# Allegro board MCU075A_LP-CC2652R7.brd
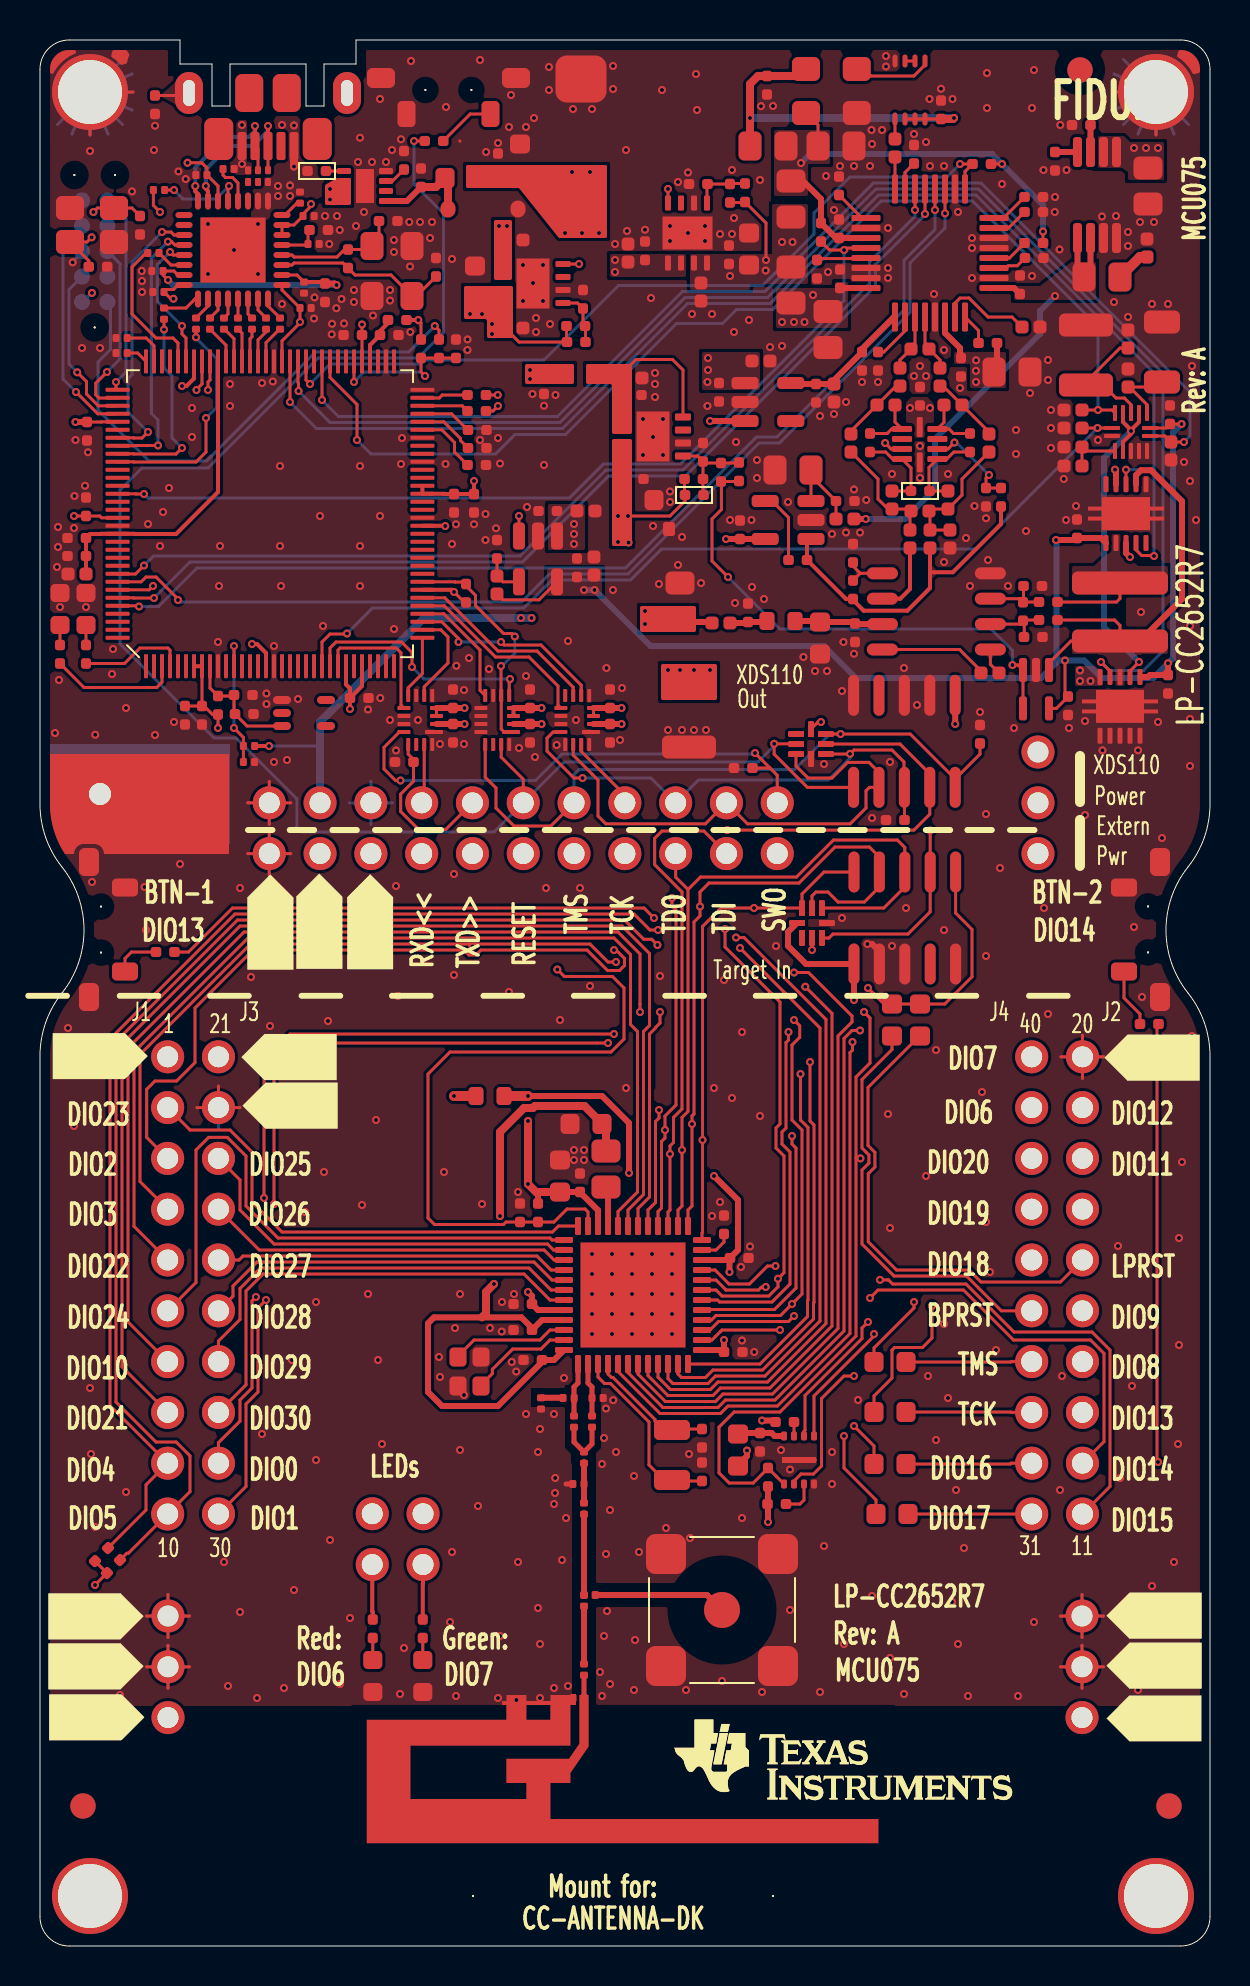
[diagram p0: board, top side]
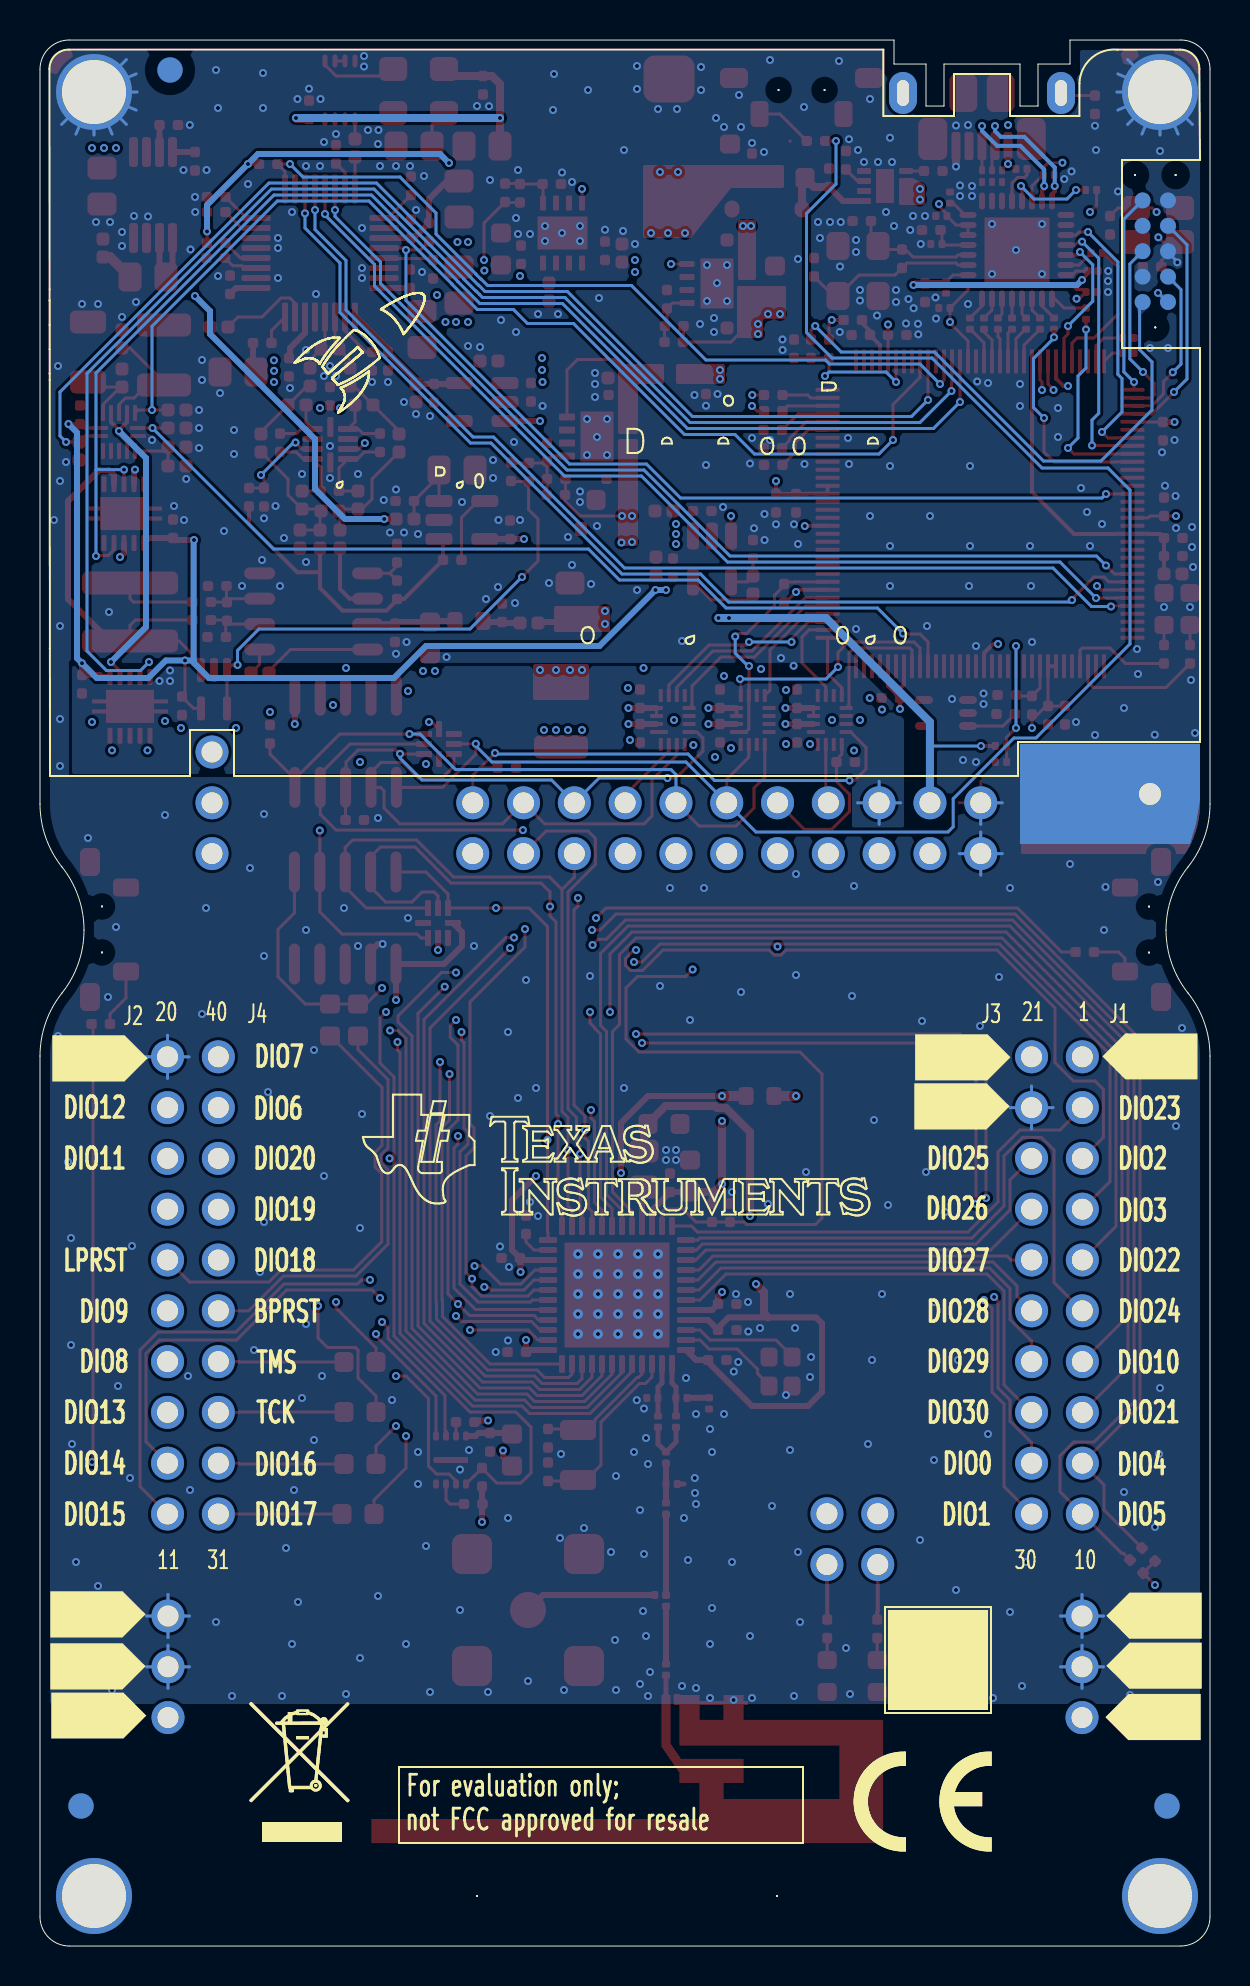
[diagram p1: board, bottom side, seen from below]

Outline 58.5 x 95.3 mm; copper layers: TOP, L2, L3, BOTTOM. Coordinates in mm from the lower left corner of the outline.
Outline path: 0,93.84 0,57.1 arc(0.28,55.43) 1.1,53.95 arc(1.92,52.47) 2.2,50.8 arc(1.92,49.13) 1.1,47.65 arc(0.28,46.17) 0,44.5 0,1.46 arc(0.43,0.43) 1.46,0 57.04,0 arc(58.07,0.43) 58.5,1.46 58.5,44.5 arc(58.22,46.17) 57.4,47.65 arc(56.58,49.13) 56.3,50.8 arc(56.58,52.47) 57.4,53.95 arc(58.22,55.43) 58.5,57.1 58.5,93.84 arc(58.07,94.87) 57.04,95.3 15.8,95.3 15.8,94.1 14.2,94.1 14.2,92 13.3,92 13.3,94.1 9.5,94.1 9.5,92 8.6,92 8.6,94.1 7,94.1 7,95.3 1.46,95.3 arc(0.43,94.87) 0,93.84

## Design rules (mm)
constraint set DEFAULT: min track width 0.15
nets with their own width: min track width 0.15; nets GND VDDR VDDS WMCU_VDD

## Placement (name value [footprint] x y rotation side)
A1  2.4GHz  [ANTENNA_DN007AN]  27.2 12.3 180 top
C1  12pF  [CAPC1005X60B2N]  2.44 83.96 0 top
C2  10nF  [CAPC1005X60B2N]  7.25 62 270 top
C3  10nF  [CAPC1005X60B2N]  2.3 71.5 90 top
C4  10nF  [CAPC1005X60B2N]  2.35 76.2 270 top
C6  100nF  [CAPC0603X35B2N]  13 81.9 0 top
C7  10nF  [CAPC1005X60B2N]  15.5 62.4 0 top
C8  0.1uF  [CAPC1005X60B2N]  9.7 62.55 0 top
C9  12pF  [CAPC1005X60B2N]  5 86.5 270 top
C11  12pF  [CAPC0603X35B2N]  25.05 26.85 90 top
C12  1pF  [CAPC0603X35B2N]  26.7 26.5 270 top
C14  12pF  [CAPC0603X35B2N]  27.2 17.55 270 top
C15  0  [CAPC0603X35B2N]  26.65 12.4 0 top
C17  12pF  [CAPC1005X60B2N]  33.1 23.25 90 top
C18  12pF  [CAPC1005X60B2N]  33.1 25.85 270 top
C19  1uF  [CAPC1005X60B2N]  34.2 35.6 90 top
C20  0.1uF  [CAPC1005X60B2N]  24 36.2 90 top
C21  1pF  [CAPC0603X35B2N]  27.6 27.4 0 top
C22  1pF  [CAPC0603X35B2N]  26.64 23.1 0 top
C24  12pF  [CAPC0603X35B2N]  27.2 17.55 0 top
C30  0.1uF  [CAPC1005X60B2N]  36 25.65 270 top
C31  1.2pF  [CAPC0603X35B2N]  27.2 14.1 270 top
C38  0.1uF  [CAPC1005X60B2N]  16.1 80.55 180 top
C39  0.1uF  [CAPC1005X60B2N]  24.5 61.9 90 top
C40  1uF  [CAPC1005X60B2N]  21.7 72.6 270 top
C42  1uF  [CAPC1005X60B2N]  8.1 62 270 top
C43  0.1uF  [CAPC1005X60B2N]  2.3 70.4 180 top
C44  1uF  [CAPC1005X60B2N]  2.3 69.5 180 top
C45  2.2uF  [CAPC1005X60A2N]  2.3 68.6 180 top
C46  0.1uF  [CAPC1005X60B2N]  17 80.55 0 top
C47  15pF  [CAPC1005X60B2N]  26.35 80.2 0 top
C48  2.2uF  [CAPC1005X60A2N]  23.25 85.3 0 top
C49  2.2uF  [CAPC1005X60A2N]  23.25 80.9 0 top
C50  10nF  [CAPC1005X60B2N]  9.75 61.6 0 top
C70  0.1uF  [CAPC1005X60B2N]  24.5 61.1 270 top
C71  0.1uF  [CAPC1005X60B2N]  20.7 72.6 270 top
C72  0.1uF  [CAPC1005X60B2N]  28.5 61.1 270 top
C73  0.1uF  [CAPC1005X60B2N]  20.65 61.9 90 top
C74  0.1uF  [CAPC1005X60B2N]  20.65 61.1 270 top
C75  0.1uF  [CAPC1005X60B2N]  28.5 61.9 90 top
C78  100nF  [CAPC0603X35B2N]  6.2 82.7 180 top
C79  100nF  [CAPC0603X35B2N]  13.15 86.5 0 top
C80  100nF  [CAPC0603X35B2N]  8.35 88.55 180 top
C83  100nF  [CAPC0603X35B2N]  13.2 83.2 270 top
C84  100nF  [CAPC0603X35B2N]  6.15 83.75 180 top
C85  4.7uF  [CAPC1005X60B2N]  14.25 82.2 90 top
C86  4.7uF  [CAPC1005X60B2N]  14.4 85.8 180 top
C87  100nF  [CAPC0603X35B2N]  13.4 85.1 0 top
C88  12pF  [CAPC1005X60B2N]  19.8 84.4 270 top
C89  12pF  [CAPC1005X60B2N]  16.95 86.25 0 top
C99  0.1uF  [CAPC1005X60B2N]  34.2 29.7 0 top
C101  0.1uF  [CAPC1005X60B2N]  34.5 34.4 0 top
C102  0.1uF  [CAPC1005X60B2N]  24.6 32.1 180 top
C103  22uF  [CAPC1608X100A2N]  26 37.7 90 top
C104  0.1uF  [CAPC1005X60B2N]  27 37.7 90 top
C105  22uF  [CAPC1608X100A2N]  28.1 41.1 180 top
C106  0.1uF  [CAPC1005X60B2N]  24.6 30.8 180 top
C107  0.1uF  [CAPC1005X60B2N]  25.1 29.3 180 top
C108  33nF  [CAPC1005X60B2N]  14.3 88.75 180 top
C109  10nF  [CAPC1005X60B2N]  19.05 87.95 90 top
C110  0.1uF  [CAPC1005X60B2N]  22.9 88.7 90 top
C111  3.3uF  [CAPC1608X90A2N]  24 90.1 270 top
C112  DNM  [CAPMP7343X200N]  27.05 87.15 90 top
C113  22uF  [CAPC1608X100A2N]  21.75 82.4 90 top
C114  0.1uF  [CAPC1005X60B2N]  26.85 68.45 90 top
C115  0.1uF  [CAPC1005X60B2N]  36.35 93.5 270 top
C116  0.1uF  [CAPC1005X60B2N]  39.95 85.4 90 top
C117  10uF  [CAPC2012X150A2N]  38.9 90 0 top
C118  0.1uF  [CAPC1005X60B2N]  45.05 91.35 90 top
C119  0.1uF  [CAPC1005X60B2N]  46.05 79.4 270 top
C120  0.1uF  [CAPC1005X60B2N]  40 82.9 90 top
C121  10uF  [CAPC2012X150A2N]  39.4 81.73 270 top
C122  10uF  [CAPC2012X150A2N]  47.7 78.7 0 top
C123  270pF  [CAPC1005X60B2N]  41.5 74.7 90 top
C124  0.1uF  [CAPC1005X60B2N]  50.1 68 180 top
C125  0.1uF  [CAPC1005X60B2N]  40.75 65.2 90 top
C126  0.1uF  [CAPC1005X60B2N]  44 77.95 270 top
C127  0.1uF  [CAPC1005X60B2N]  49 82.6 90 top
C128  1uF  [CAPC1005X60B2N]  41.1 79.7 270 top
C129  470pF  [CAPC1005X60A2N]  43.55 71.75 0 top
C130  1nF  [CAPC1005X60B2N]  43.55 72.75 0 top
C131  22nF  [CAPC1005X60A2N]  43.55 79.85 0 top
C132  0.1uF  [CAPC1005X60B2N]  49.15 67.19 270 top
C133  1uF  [CAPC1005X60B2N]  47.3 72.9 270 top
C134  0.1uF  [CAPC1005X60B2N]  49.2 65.45 0 top
C135  270pF  [CAPC1005X60B2N]  46.5 74.7 90 top
C136  1uF  [CAPC1005X60B2N]  41.9 79.7 270 top
C137  1uF  [CAPC1005X60B2N]  49.25 84.4 0 top
C138  1uF  [CAPC1005X60B2N]  39.95 87.55 90 top
C139  0.1uF  [CAPC1005X60B2N]  56.5 76.1 90 top
C140  0.1uF  [CAPC1005X60B2N]  56.4 63.55 270 top
C141  0.1uF  [CAPC1005X60B2N]  35 70.35 90 top
C142  10uF  [CAPC2012X150A2N]  55.4 88.9 270 top
C143  2.2uF  [CAPC1005X60A2N]  54.4 77.95 90 top
C144  2.2uF  [CAPC1005X60A2N]  54.4 79.9 90 top
C145  1uF  [CAPC1005X60B2N]  50.75 89.7 270 top
C146  47uF  [CAPC2012X150A2N]  52.2 83.45 0 top
C147  10uF  [CAPC2012X150A2N]  38.55 73.8 180 top
C149  2.2uF  [CAPC1005X60A2N]  52.1 74.95 180 top
C151  2.2uF  [CAPC1005X60A2N]  29.4 84.2 90 top
C152  0.1uF  [CAPC1005X60B2N]  30.25 84.3 90 top
C153  15pF  [CAPC1005X60B2N]  35.25 87.2 90 top
C154  0.1uF  [CAPC1005X60B2N]  34.45 84.1 90 top
C155  2.2uF  [CAPC1005X60A2N]  33.05 83.15 270 top
C156  22uF  [CAPC1608X100A2N]  35.45 84.05 90 top
C157  2.2uF  [CAPC1005X60A2N]  35.6 79.25 0 top
C158  0.1uF  [CAPC1005X60B2N]  38.8 78.1 270 top
C159  2.2uF  [CAPC1005X60A2N]  39.7 78.1 270 top
C160  2.2uF  [CAPC1005X60A2N]  26.85 71.75 0 top
C161  0.1uF  [CAPC1005X60B2N]  33.95 78.15 270 top
C162  0.1uF  [CAPC1005X60B2N]  51.85 70.4 90 top
C163  2.2uF  [CAPC1005X60A2N]  27.7 68.55 90 top
C164  0.1uF  [CAPC1005X60B2N]  25.85 71.75 180 top
C165  22uF  [CAPC1608X100A2N]  39 66.2 270 top
C166  10nF  [CAPC1005X60B2N]  35.4 66.2 90 top
C168  10uF  [CAPC2012X150A2N]  32 66.35 90 top
C169  15pF  [CAPC1005X60B2N]  34.05 74.15 270 top
C170  DNM  [CAPC1005X60B2N]  51.4 61.55 90 top
C171  2.2uF  [CAPC1005X60A2N]  29.2 78.4 0 top
C172  15pF  [CAPC1005X60B2N]  32.25 72.55 0 top
C174  22uF  [CAPC1608X100A2N]  29.1 72.3 0 top
C175  0.1uF  [CAPC1005X60B2N]  29.15 77.55 0 top
C484  10nF  [CAPC1005X60B2N]  25.2 78.52 270 top
C485  0.1uF  [CAPC1005X60B2N]  29.25 73.35 0 top
C486  220uF  [CAPC3225X280A2N]  32.45 62.95 270 top
CR1  GREEN LED  [LEDC1608X40N]  19.14 12.7 90 top
CR2  RED LED  [LEDC1608X80B2N]  16.64 12.7 90 top
CR4  RED LED  [LEDC1608X80B2N]  1 67.65 270 top
CR5  GREEN LED  [LEDC1608X40N]  2.3 67.65 270 top
CR6  TPD4E004DRY  [SON50P100X145X60-6N]  10.4 88.2 0 top
CR7  TPD6E004RSER  [QFN50P150X150X60-8N]  37.8 60.6 270 top
CR8  TPD6E004RSER  [QFN50P150X150X60-8N]  38.1 50.4 0 top
CR14  BZX84J-C3V9,115  [DIO_BZX84JN]  29.25 70.85 0 top
CR15  MBR130T1  [SOD3716X135N]  20.4 86.85 0 top
FIDU1  FIDU_1.27mm  [FID127X142]  52 93.8 0 top
FIDU2  FIDU_1.27mm  [FID127X142]  2.15 7 0 top
FIDU3  FIDU_1.27mm  [FID127X142]  56.45 7 0 top
FIDU4  FIDU_1.27mm  [FID127X142]  52 93.8 180 bottom
FIDU5  FIDU_1.27mm  [FID127X142]  2.15 7 180 bottom
FIDU6  FIDU_1.27mm  [FID127X142]  56.45 7 180 bottom
FL1  BLM18HE152SN1  [FIL_BLM18HE152SN1DN#2]  23.2 42.5 180 top
FL2  BLM18HE152SN1  [FIL_BLM18HE152SN1DN]  21.85 88.4 180 top
FL4  BLM18HE152SN1  [FIL_BLM18HE152SN1DN#2]  37.75 66.25 180 top
FL5  BLM18HE152SN1  [FIL_BLM18HE152SN1DN]  27.8 78.6 180 top
J1  SSQ-110-23-L-D  [SAMTEC_SSQ11023LD_A2B]  6.38 44.46 0 bottom
J2  SSQ-110-23-L-D  [SAMTEC_SSQ11023LD_A2B]  49.58 44.46 0 bottom
J6  105164-0001  [MOLEX_1051640001_B2N]  10.1 90 0 top
L1  6.8uH  [INDC2012X150A2N]  28.3 37.95 90 top
L12  3.7nH  [INDC0603X33A2N]  26.15 27.4 0 top
L13  3.4nH  [INDC0603X33A2N]  27.2 24.7 270 top
L14  3.4nH  [INDC0603X33A2N]  27.2 22.15 270 top
L21  3.7nH  [INDC0603X33A2N]  27.6 26.5 270 top
L332  BLM21PG221SN1  [FILC2012X110A2N]  37.3 90 180 top
L333  BLM21PG221SN1  [FILC2012X110A2N]  37.55 86.45 90 top
L334  BLM21PG221SN1  [FILC2012X110A2N]  37.55 82.15 90 top
LBL2  TI_LOGO  [TI_LOGO_1]  32.72 11.32 0 top
LBL3  CE_label  [CE_MARKING]  15.2 4.72 180 bottom
LBL4  -  [LABEL_FOR_EVALUATION_ONLY]  40.4 5.3 180 bottom
LBL5  TRASH_7mm  [TRASH_7MM]  47.4 5.2 180 bottom
LBL6  ESD_LABEL_5x5mm  [ESD_LABEL_5X5]  16.1 11.8 180 bottom
M1  SNT-100-BK-G  [SAMTEC_SNT100BKG]  17.9 17.8 90 top
M2  SNT-100-BK-G  [SAMTEC_SNT100BKG]  20.4 17.8 90 top
M3  SNT-100-BK-G  [SAMTEC_SNT100BKG]  12.7 53.3 90 top
M4  SNT-100-BK-G  [SAMTEC_SNT100BKG]  15.3 53.3 90 top
M5  SNT-100-BK-G  [SAMTEC_SNT100BKG]  17.8 53.3 90 top
M6  SNT-100-BK-G  [SAMTEC_SNT100BKG]  20.3 53.3 90 top
M7  SNT-100-BK-G  [SAMTEC_SNT100BKG]  22.9 53.3 90 top
M8  SNT-100-BK-G  [SAMTEC_SNT100BKG]  25.4 53.3 90 top
M9  SNT-100-BK-G  [SAMTEC_SNT100BKG]  28 53.3 90 top
M10  SNT-100-BK-G  [SAMTEC_SNT100BKG]  30.5 53.3 90 top
M11  SNT-100-BK-G  [SAMTEC_SNT100BKG]  33.1 53.3 90 top
M12  SNT-100-BK-G  [SAMTEC_SNT100BKG]  35.6 53.3 90 top
M13  SNT-100-BK-G  [SAMTEC_SNT100BKG]  38.2 53.3 90 top
M14  SNT-100-BK-G  [SAMTEC_SNT100BKG]  51.2 55.9 90 top
MH1  HOLE_3.2mm_PTH  [MTG320_380]  2.5 2.5 180 bottom
MH2  HOLE_3.2mm_PTH  [MTG320_380]  55.8 2.5 180 bottom
MH3  HOLE_3.2mm_PTH  [MTG320_380]  2.5 92.7 180 bottom
MH4  HOLE_3.2mm_PTH  [MTG320_380]  55.8 92.7 180 bottom
MH5  HOLE_1.1mm_PTH  [MTG110_170]  3 57.6 0 top
MH6  DCB-10  [MECH_DCB10_A2B]  2.5 2.5 180 bottom
MH7  DCB-10  [MECH_DCB10_A2B]  55.8 92.7 180 bottom
MH8  DCB-10  [MECH_DCB10_A2B]  55.8 2.5 180 bottom
MH9  DCB-10  [MECH_DCB10_A2B]  2.5 92.7 180 bottom
NOREF  -  []  -60.25 -61.35 0 top
NOREF#2  -  []  40.01 0 90 top
NOREF#3  -  []  13.9 46.5 90 top
NOREF#4  -  []  -1.98 93.57 0 top
NOREF#5  -  []  8.4 41.9 0 top
NOREF#6  -  []  17.7 43.9 90 top
NOREF#7  -  []  8.4 39.6 0 top
NOREF#8  -  []  -1.9 14.1 0 top
NOREF#9  #VALUE  [unnamed#2]  21.65 2.5 0 top
NOREF#10  -  []  0 79.15 0 top
NOREF#11  -  []  51.6 11.6 0 top
NOREF#12  -  []  33.6 11.5 0 top
NOREF#13  -  []  16.5 46.4 90 top
NOREF#14  -  []  0.2 51.26 0 top
NOREF#15  -  []  53.1 10 0 top
NOREF#16  -  []  51.6 14.1 0 top
NOREF#17  -  []  -4.3 43.3 0 top
NOREF#18  -  []  0.64 95.05 0 top
NOREF#19  -  []  -1.9 11.6 0 top
NOREF#20  -  []  1.07 -31.8 0 top
NOREF#21  -  []  51.5 42 0 top
NOREF#22  -  []  11.61 94.1 0 top
NOREF#23  -  []  -2 8.9 0 top
NOREF#24  -  []  60.2 42 180 bottom
NOREF#25  -  []  17.2 41.9 180 bottom
NOREF#26  -  []  6.9 8.9 180 bottom
NOREF#27  -  []  58 10.3 180 bottom
NOREF#28  -  []  6.9 14.1 180 bottom
NOREF#29  -  []  60.3 11.6 180 bottom
NOREF#30  -  []  60.3 14.2 180 bottom
NOREF#31  -  []  5.6 43.1 180 bottom
NOREF#32  -  []  6.9 11.6 180 bottom
NOREF#33  -  []  51.53 65.52 180 bottom
NOREF#34  -  []  17.1 39.6 180 bottom
P1  BB02-HC031-KB1-603000  [GRADCONN_BB02HC031KB1603000_A2B]  52.1 11.42 90 top
P2  BB02-HC031-KB1-603000  [GRADCONN_BB02HC031KB1603000_A2B]  6.4 11.42 90 top
P4  BB02-HJ221-KB1-603000  [GRADCONN_BB02HJ221KB160300_A2B]  36.86 57.16 180 top
P5  FTSH-105-01-F-DV-K  [SAMTEC_FTSH-105-01-F-DV-K-10L]  40.7 49.1 0 top
P6  BB02-HJ041-KB1-603000  [GRADCONN_BB02HJ041KB1603000_A2B]  16.61 19.07 0 top
P7  FTSH-105-01-F-DV-K  [SAMTEC_FTSH-105-01-F-DV-K-10L]  45.76 62.53 180 top
P8  DNM  [TAGCONNECT_TC2050IDCNL_A2N]  2.1 82.2 90 bottom
P10  BB02-HC031-KB1-603000  [GRADCONN_BB02HC031KB1603000_A2B]  49.9 59.7 270 top
P11  SMA-10V21-TGG  [HUSTSAN_SMA10V21TGGAN]  34.1 16.8 0 top
PCB1  MCU075  [TI_MCUXX]  47.9 92.4 0 top
R1  100k  [RESC1005X40B2N]  24.9 36.2 90 top
R2  0  [RESC1005X40B2N]  4 19.3 225 top
R3  0  [RESC1005X40B2N]  3.4 19.9 225 top
R11  2.2k  [RESC1005X40B2N]  36.4 23.9 270 top
R14  220  [RESC1005X40B2N]  16.64 15.4 90 top
R15  180  [RESC1005X40B2N]  19.14 15.4 90 top
R17  10k  [RESC1005X40B2N]  19.05 79.4 90 top
R18  4.7k  [RESC1005X40B2N]  8.9 62.5 270 top
R20  100  [RESC1005X40B2N]  19.95 79.4 90 top
R21  10k  [RESC1005X40B2N]  20.8 79.4 90 top
R23  180  [RESC1005X40B2N]  1 65.05 270 top
R25  220  [RESC1005X40B2N]  2.3 65.05 270 top
R27  1k  [RESC1005X40B2N]  22.3 76.75 180 top
R28  4.87k  [RESC1005X40B2N]  22.3 74.05 180 top
R29  1k  [RESC1005X40B2N]  21.4 75.8 0 top
R30  1k  [RESC1005X40B2N]  21.4 74.9 0 top
R31  51  [RESC1005X40B2N]  17.4 81.3 0 top
R32  33k  [RESC1005X40B2N]  5.75 91.6 90 top
R33  51k  [RESC1005X40B2N]  27.25 81 180 top
R34  30k  [RESC1005X40B2N]  27.15 82.8 270 top
R39  1k  [RESC1005X40B2N]  22.3 77.55 180 top
R46  0  [RESC1608X55A2N]  43.3 29.2 180 top
R47  0  [RESC1608X55A2N]  43.3 26.7 180 top
R48  0  [RESC1608X55A2N]  43.3 24.1 180 top
R49  0  [RESC1608X55A2N]  43.4 21.6 180 top
R51  0  [RESC1608X55N]  44 45.5 90 top
R52  0  [RESC1608X55N]  42.6 45.5 90 top
R55  100  [RESC1005X40B2N]  55 46.1 0 top
R56  100  [RESC1005X40B2N]  5.8 49.7 0 top
R57  100  [RESC1005X40B2N]  20.16 90.25 180 top
R58  3.3k  [RESC1005X40B2N]  21.3 68.1 270 top
R59  DNM  [RESC1005X40B2N]  37.3 22.1 180 top
R60  DNM  [RESC1005X40B2N]  37.7 26.2 180 top
R61  100k  [RESC1005X40B2N]  17.75 59.2 0 top
R62  100k  [RESC1005X40B2N]  34.7 58.9 0 top
R63  100k  [RESC1005X40B2N]  42.3 56.3 0 top
R65  100k  [RESC1005X40B2N]  47 61.05 270 top
R82  10k  [RESC0603X35B2N]  9.15 88.85 0 top
R83  10k  [RESC0603X35B2N]  5.67 87.8 0 top
R84  12k  [RESC0603X35B2N]  13 87.7 270 top
R87  1Meg  [RESC1005X40B2N]  15.4 83.9 90 top
R89  0  [RESC1608X55N]  34.9 25.6 270 top
R90  1k  [RESC0603X35B2N]  3.8 80.4 0 top
R91  1k  [RESC0603X35B2N]  3.8 79.65 0 top
R92  10k  [RESC0603X35B2N]  10.17 60 0 top
R93  20k  [RESC0603X35B2N]  10.17 59.2 0 top
R94  22  [RESC1005X40A2N]  42.75 89.45 90 top
R95  1.2k  [RESC1005X40A2N]  40.55 75.6 270 top
R96  100k  [RESC1005X40B2N]  47.55 89.1 180 top
R97  100k  [RESC1005X40B2N]  38.85 84.3 270 top
R98  100k  [RESC1005X40B2N]  47.85 80.15 180 top
R99  0  [RESC1005X40B2N]  49.95 67.2 0 top
R100  0  [RESC1005X40B2N]  40.65 67.35 90 top
R101  1.2k  [RESC1005X40A2N]  43.5 70.8 270 top
R102  330  [RESC1005X40A2N]  42.6 72.75 270 top
R103  4.99  [RESC1005X40A2N]  41.85 77.05 0 top
R104  10  [RESC1005X40A2N]  43 78.9 270 top
R105  100k  [RESC1005X40B2N]  43.7 90.05 270 top
R106  0  [RESC1005X40B2N]  40.65 70.1 270 top
R107  1  [RESC3246X70A2N]  54 65.25 90 top
R108  0  [RESC1005X40B2N]  49.95 66.3 0 top
R109  1.2k  [RESC1005X40A2N]  44.5 70.8 270 top
R110  330  [RESC1005X40A2N]  45.4 72.75 270 top
R111  0  [RESC1005X40B2N]  48.05 72.9 270 top
R112  4.99  [RESC1005X40A2N]  46.1 77.05 180 top
R113  10  [RESC1005X40A2N]  45 78.9 270 top
R114  100k  [RESC1005X40B2N]  39.05 86.15 270 top
R115  1.2k  [RESC1005X40A2N]  45.5 70.8 270 top
R116  60.4k  [RESC1005X40A2N]  50 80.95 180 top
R117  100k  [RESC1005X40B2N]  50.15 87.45 180 top
R118  100k  [RESC1005X40B2N]  50.15 86.7 180 top
R119  100k  [RESC1005X40B2N]  50.15 85.15 180 top
R120  1.2k  [RESC1005X40A2N]  47.45 75.6 270 top
R121  22k  [RESC1005X40A2N]  40.7 71.35 180 top
R122  0.22  [RESC1005X50A2N]  55.35 85.35 270 top
R123  82  [RESC3216X75A2N]  56.1 81.2 270 top
R125  36.5  [RESC3225X75A2N]  52.3 81.05 270 top
R126  4.7k  [RESC1005X40B2N]  39.8 72.25 0 top
R127  47k  [RESC1005X40A2N]  52.1 75.9 180 top
R128  47k  [RESC1005X40A2N]  52.1 76.8 180 top
R129  47k  [RESC1005X40A2N]  56.55 75.2 270 top
R130  2.2k  [RESC1005X40A2N]  52.1 74 180 top
R131  0  [RESC1005X40B2N]  38.35 69.3 180 top
R132  51k  [RESC1005X40B2N]  34.5 88.1 270 top
R133  30k  [RESC1005X40B2N]  32.45 88.1 0 top
R134  60.4k  [RESC1005X40A2N]  22.85 68.5 270 top
R135  30k  [RESC1005X40B2N]  22.85 70.3 270 top
R136  100k  [RESC1005X40B2N]  51.6 91.05 0 top
R137  2.61k  [RESC1005X40A2N]  47.05 63.65 0 top
R138  51k  [RESC1005X40B2N]  34.95 73.25 90 top
R140  51  [RESC0603X35B2N]  12 81.4 270 top
R141  51  [RESC0603X35B2N]  11.3 81.4 270 top
R142  51  [RESC0603X35B2N]  10.6 81.4 270 top
R143  51  [RESC0603X35B2N]  9.9 81.4 270 top
R144  51  [RESC0603X35B2N]  9.2 81.4 270 top
R145  51  [RESC0603X35B2N]  8.5 81.4 270 top
R146  51  [RESC0603X35B2N]  7.8 81.4 270 top
R147  51  [RESC0603X35B2N]  6.2 81.9 270 top
R148  51  [RESC0603X35B2N]  5.95 84.65 180 top
R151  51k  [RESC1005X40B2N]  33.15 73.35 180 top
R152  30k  [RESC1005X40B2N]  33.15 75.15 270 top
R353  4.7k  [RESC1005X40B2N]  18.2 89.75 270 top
R354  10  [RESC1005X40A2N]  34.5 66.15 180 top
SW1  1188E-1K2-V  [SW_1188E1K2V_A2N]  2.45 54.2 270 top
SW2  1188E-1K2-V  [SW_1188E1K2V_A2N]  56 47.45 90 top
SW3  1188E-1K2  [SW_1188E1K2V_A2N]  23.8 93.4 180 top
U1  CC2652R74T0RGZR  [QFNFC50P700X700X100-49A2N]  26.9 29.1 0 top
U4  MX25R8035FZUIL0  [SON50P300X200X60-9B2L]  37.2 23.1 0 top
U5  MSP432E401YTPDT  [QFP40P1600X1600X120-128A2N]  5.3 63.99 0 top
U6  LM4040B25IDCK  [SOT65P210X110-5N]  12.1 62.3 270 top
U7  TPS79601DR  [SON65P300X300X100-9AN]  23.15 84.1 270 top
U8  SN74AVC4T245RSV  [QFNFC40P180X260X55-16A2N]  19.7 60.7 90 top
U9  SN74AVC4T245RSV  [QFNFC40P180X260X55-16A2N]  27.55 60.7 90 top
U10  SN74AVC4T245RSV  [QFNFC40P180X260X55-16A2N]  23.55 60.7 90 top
U15  USB3300-EZK  [QFNWB50P500X500X100-33N]  11.4 87.25 180 top
U33  TS3A24159DRC  [SON50P300X300X100-11A2N]  53.3 70.15 0 top
U34  SN74LVC2G74DCU  [SOP50P310X90-8N]  44.25 94.25 180 top
U35  ADS127L01IPBS  [QFP50P700X700X120-32A2N]  42.75 81.45 0 top
U36  INA118UB  [SOIC127P600X175-8N]  47.52 64.82 90 top
U37  THS4551IRUN  [QFNFCP50P200X200X80-10A2N]  43.1 75.85 270 top
U38  TS3A24159DRC  [SON50P300X300X100-11A2N]  55 63.45 180 top
U39  TS3A4751RUCR  [QFNFC40P200X200X40-14A2N]  55.35 76.65 180 top
U40  REF6025IDGK  [SOP65P490X110-8A2N]  53.82 89.7 180 top
U41  OPA320AIDBV  [SOT95P280X145-5A2N]  38.55 70.35 90 top
U42  TPS79601DR  [SON65P300X300X100-9AN]  31.4 84.15 0 top
U43  LP5907MFX-1.8  [SOT95P280X145-5A2N]  35.25 78.15 270 top
U44  TPS73101DBV  [SOT95P280X145-5A2N]  25.85 70.5 180 top
U45  DNM  [SOT65P210X110-5A2N]  50.45 63.8 180 top
U46  TPS79601DR  [SON65P300X300X100-9AN#2]  29.15 76.45 270 top
U47  TPS259530DSG  [SON50P200X200X80-9A2N]  15.2 88.75 270 top
Y1  32.768kHz  [XTAL_TZ1166C_B2N]  31.6 23.3 90 top
Y2  48MHz  [OSCCC200X160X50-4A2N]  22.05 28 90 top
Y3  16MHz  [OSCCC250X320X100-4BN]  3.7 86.9 180 top
Y4  24MHz  [OSCCC250X320X70-4AN]  16.6 85 270 top
Y5  16.384MHz  [OSCSC254P320X500X130-4A2N]  38.3 91.65 0 top

## Library data of the parts
A1 = ANTENNA_DN007
C1-C4 C7-C9 C17-C20 C30 C38-C40 C42-C44 C46 C47 C50 C70-C75 C85 C86 C88 C89 C99 C101 C102 C104 C106-C110 C114-C116 C118-C120 C123-C128 C130 C132-C141 C145 C152-C154 C158 C161 C162 C164 C166 C169 C170 C172 C175 C484 C485 = CAPACITOR: User Part Number: #PN
C6 C11 C12 C14 C15 C21 C22 C24 C31 C78-C80 C83 C84 C87 = CAPACITOR: User Part Number: #PN; alternate symbols: (CAPC0603X35B2L,CAPC0603X35B2M)
C45 C48 C49 C129 C131 C143 C144 C149 C151 C155 C157 C159 C160 C163 C171 = CAPACITOR: User Part Number: #PN; alternate symbols: (CAPC1005X60A2L,CAPC1005X60A2M)
C103 C105 C113 C156 C165 C174 = CAPACITOR: User Part Number: #PN; alternate symbols: (CAPC1608X100A2L,CAPC1608X100A2M)
C111 = CAPACITOR: User Part Number: #PN; alternate symbols: (CAPC1608X90A2L,CAPC1608X90A2M)
C112 = CAPACITOR_POL: User Part Number: #PN; alternate symbols: (CAPMP7343X200L,CAPMP7343X200M)
C117 C121 C122 C142 C146 C147 C168 = CAPACITOR: User Part Number: #PN; alternate symbols: (CAPC2012X150A2L,CAPC2012X150A2M)
C486 = CAPACITOR: User Part Number: #PN; alternate symbols: (CAPC3225X280A2L,CAPC3225X280A2M)
CR1 CR5 = LED: alternate symbols: (LEDC1608X40L,LEDC1608X40M)
CR2 CR4 = LED: User Part Number: #PN; alternate symbols: (LEDC1608X80B2L,LEDC1608X80B2M)
CR6 = DIODE_TPD4E004_SON6: User Part Number: #PN; alternate symbols: (SON50P100X145X65-6L,SON50P100X145X65-6M)
CR7 CR8 = DIODE_TVS_TPD6E004_QFN8_V1: alternate symbols: (QFN50P150X150X60-8L,QFN50P150X150X60-8M)
CR14 = DIODE_ZENER: alternate symbols: (DIO_BZX84JL,DIO_BZX84JM)
CR15 = DIODE_SCHOTTKY: alternate symbols: (SOD3716X135L,SOD3716X135M,SOD3716X135BN)
FIDU1-FIDU6 = FIDMARK
FL1 FL2 FL4 FL5 = FILTER_2PIN: alternate symbols: (FIL_BLM18HE152SN1DL,FIL_BLM18HE152SN1DM)
J1 J2 = CONN_HEADER_2X10_J_S_V1: User Part Number: #PN; alternate symbols: (SAMTEC_SSQ11023LD_A2C,SAMTEC_SSQ11023LD_A2A)
J6 = CONN_USB_MICRO_B_2MH: User Part Number: #PN; alternate symbols: (MOLEX_1051640001_B2L,MOLEX_1051640001_B2M)
L1 = INDUCTOR: User Part Number: #PN; alternate symbols: (INDC2012X150A2L,INDC2012X150A2M)
L12 L21 = INDUCTOR_HOR_1_2: User Part Number: #PN; alternate symbols: (INDC0603X33A2L,INDC0603X33A2M)
L13 L14 = INDUCTOR: User Part Number: #PN; alternate symbols: (INDC0603X33A2L,INDC0603X33A2M)
L332-L334 = INDUCTOR: User Part Number: #PN; alternate symbols: (FILC2012X110A2L,FILC2012X110A2M)
LBL2 = TI_LOGO_V1
LBL3 = CE_LABEL_V1
LBL4 = LABEL_FOR_EVALUATOIN_ONLY: User Part Number: #PN
LBL5 = TRASH_V2: User Part Number: #PN
LBL6 = ESD_LABEL: User Part Number: #PN
M1-M14 = MECH_SHUNT_JUMPER_V1: User Part Number: #PN
MH1-MH5 = HOLE_PTH
MH6-MH9 = MECH_SPACERS_SUPPORT_V1: User Part Number: #PN
NOREF#9 = -: User Part Number: #PN
P1 P2 P10 = CONN_HEADER_3_P_S: User Part Number: #PN; alternate symbols: (GRADCONN_BB02HC031KB1603000_A2C,GRADCONN_BB02HC031KB1603000_A2A)
P4 = CONN_HEADER_2X11_P_S: User Part Number: #PN; alternate symbols: (GRADCONN_BB02HJ221KB160300_A2C,GRADCONN_BB02HJ221KB160300_A2A)
P5 P7 = CONN_HEADER_2X5: alternate symbols: (SAMTEC_FTSH10501FDVK_A2L,SAMTEC_FTSH10501FDVK_A2M)
P6 = CONN_HEADER_2X2_P: User Part Number: #PN; alternate symbols: (GRADCONN_BB02HJ041KB1603000_A2C,GRADCONN_BB02HJ041KB1603000_A2A)
P8 = CONN_IDC_TC2050-IDC-NL: User Part Number: #PN; alternate symbols: (TAGCONNECT_TC2050IDCNL_A2L,TAGCONNECT_TC2050IDCNL_A2M)
P11 = CONN_COAX_1_4: alternate symbols: (HUSTSAN_SMA10V21TGGL,HUSTSAN_SMA10V21TGGM)
PCB1 = PCB_V2: User Part Number: #PN
R1-R3 R11 R14 R15 R17 R18 R20 R21 R23 R25 R27-R34 R39 R55-R63 R65 R87 R96-R100 R105 R106 R108 R111 R114 R117-R119 R126 R131-R133 R135 R136 R138 R151 R152 R353 = RESISTOR: User Part Number: #PN
R46-R49 = RESISTOR: User Part Number: #PN; alternate symbols: (RESC1608X55A2L,RESC1608X55A2M)
R51 R52 R89 = RESISTOR: alternate symbols: (RESC1608X55L,RESC1608X55M)
R82-R84 R90-R93 R140-R148 = RESISTOR: User Part Number: #PN; alternate symbols: (RESC0603X35B2L,RESC0603X35B2M)
R94 R95 R101-R104 R109 R110 R112 R113 R115 R116 R120 R121 R127-R130 R134 R137 R354 = RESISTOR: User Part Number: #PN; alternate symbols: (RESC1005X40A2L,RESC1005X40A2M)
R107 = RESISTOR: User Part Number: #PN; alternate symbols: (RESC3246X70A2L,RESC3246X70A2M)
R122 = RESISTOR: User Part Number: #PN; alternate symbols: (RESC1005X50A2L,RESC1005X50A2M)
R123 = RESISTOR: User Part Number: #PN; alternate symbols: (RESC3216X75A2L,RESC3216X75A2M)
R125 = RESISTOR: User Part Number: #PN; alternate symbols: (RESC3225X75A2L,RESC3225X75A2M)
SW1-SW3 = SWITCH_TACT_V2: alternate symbols: (SW_1188E1K2V_A2L,SW_1188E1K2V_A2M)
U1 = IC_RF_CC2652R1F_VQFN48: User Part Number: #PN; alternate symbols: (QFNFC50P700X700X100-49A2L,QFNFC50P700X700X100-49A2M)
U4 = IC_FLASH_MX25R8035F_USON8: User Part Number: #PN; alternate symbols: (SON50P300X200X60-9B2L,SON50P300X200X60-9B2M)
U5 = IC_PROC_MSP432E401Y_TQFP128: User Part Number: #PN; alternate symbols: (QFP40P1600X1600X120-128A2L,QFP40P1600X1600X120-128A2M)
U6 = IC_REF_LM4040_SC70-5: alternate symbols: (SOT65P210X110-5L,SOT65P210X110-5M)
U7 U42 U46 = IC_PM_TPS79601_SON8: alternate symbols: (SON65P300X300X100-9AL,SON65P300X300X100-9AM)